# KiCad board BMS1_COPY_DONTDELETEORILLCRY.kicad_pcb
title: On Board PCB; date: 2023-11-08; rev: 1; company: AERO - SEED
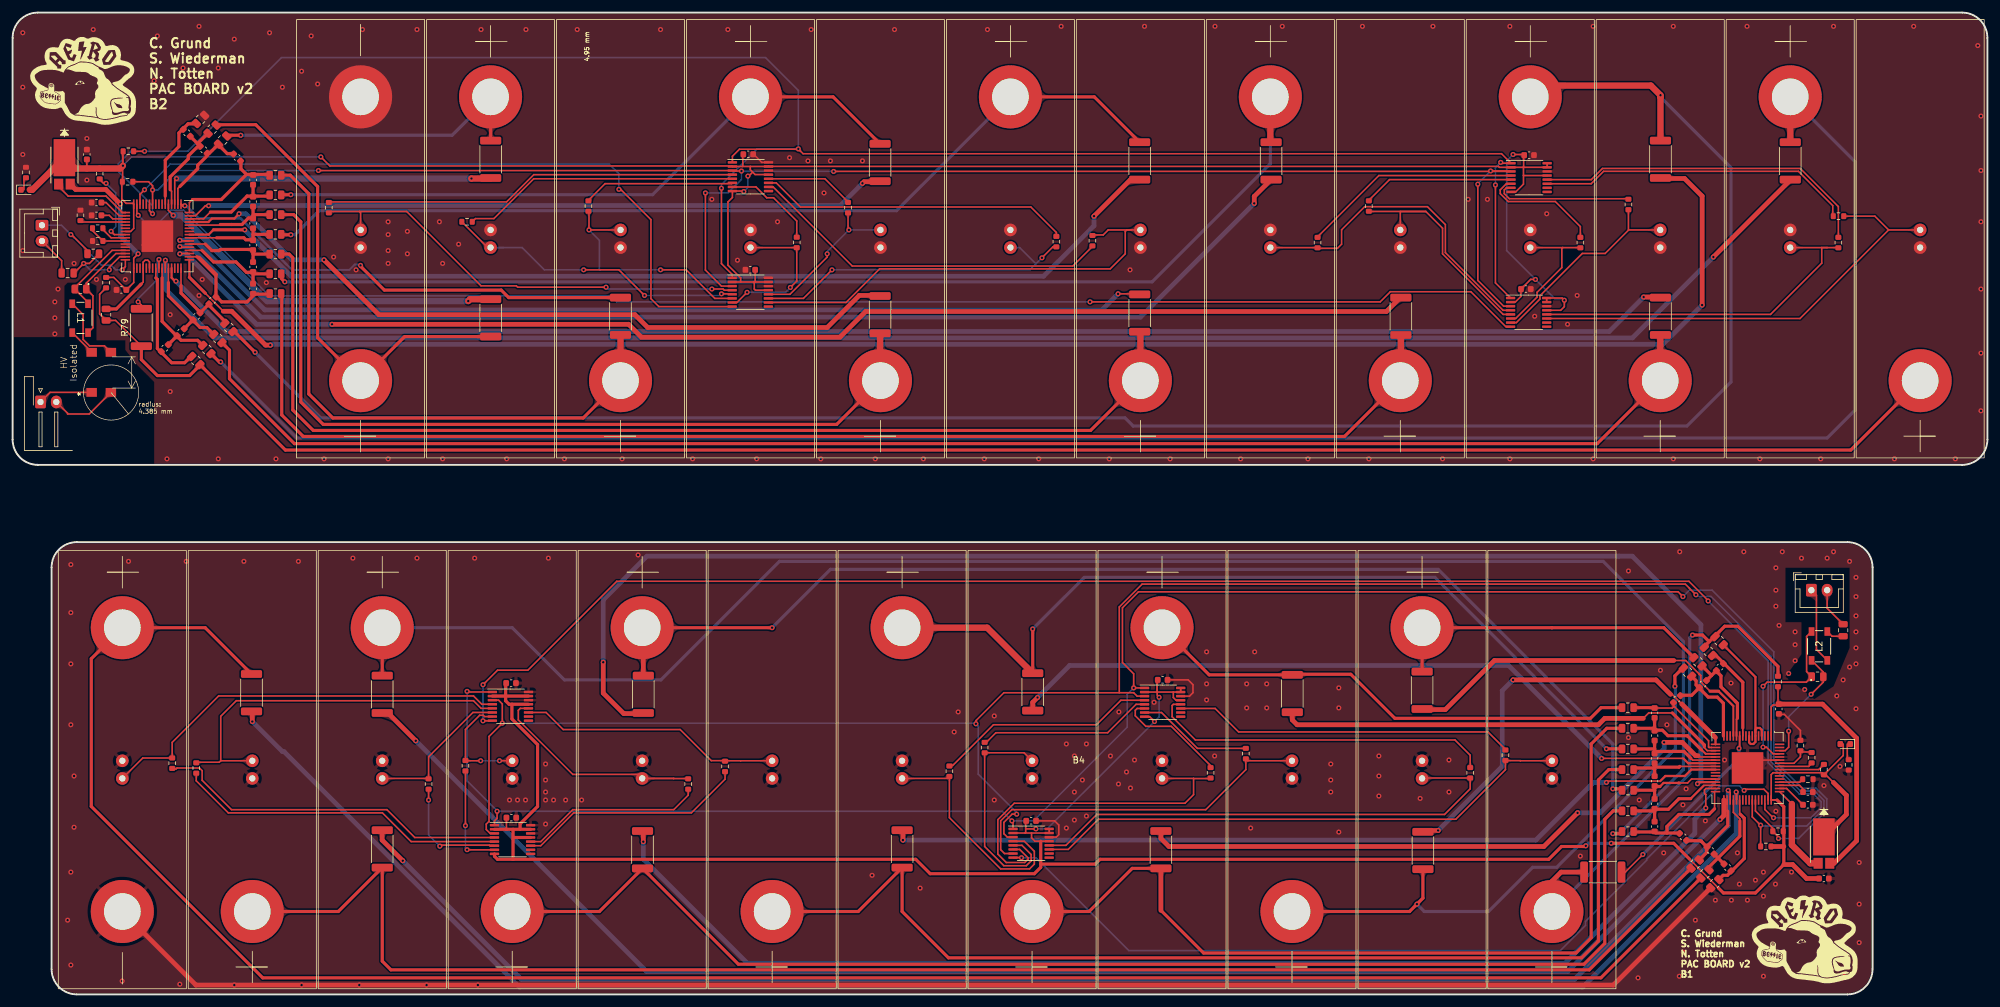
[diagram p0: board, top side]
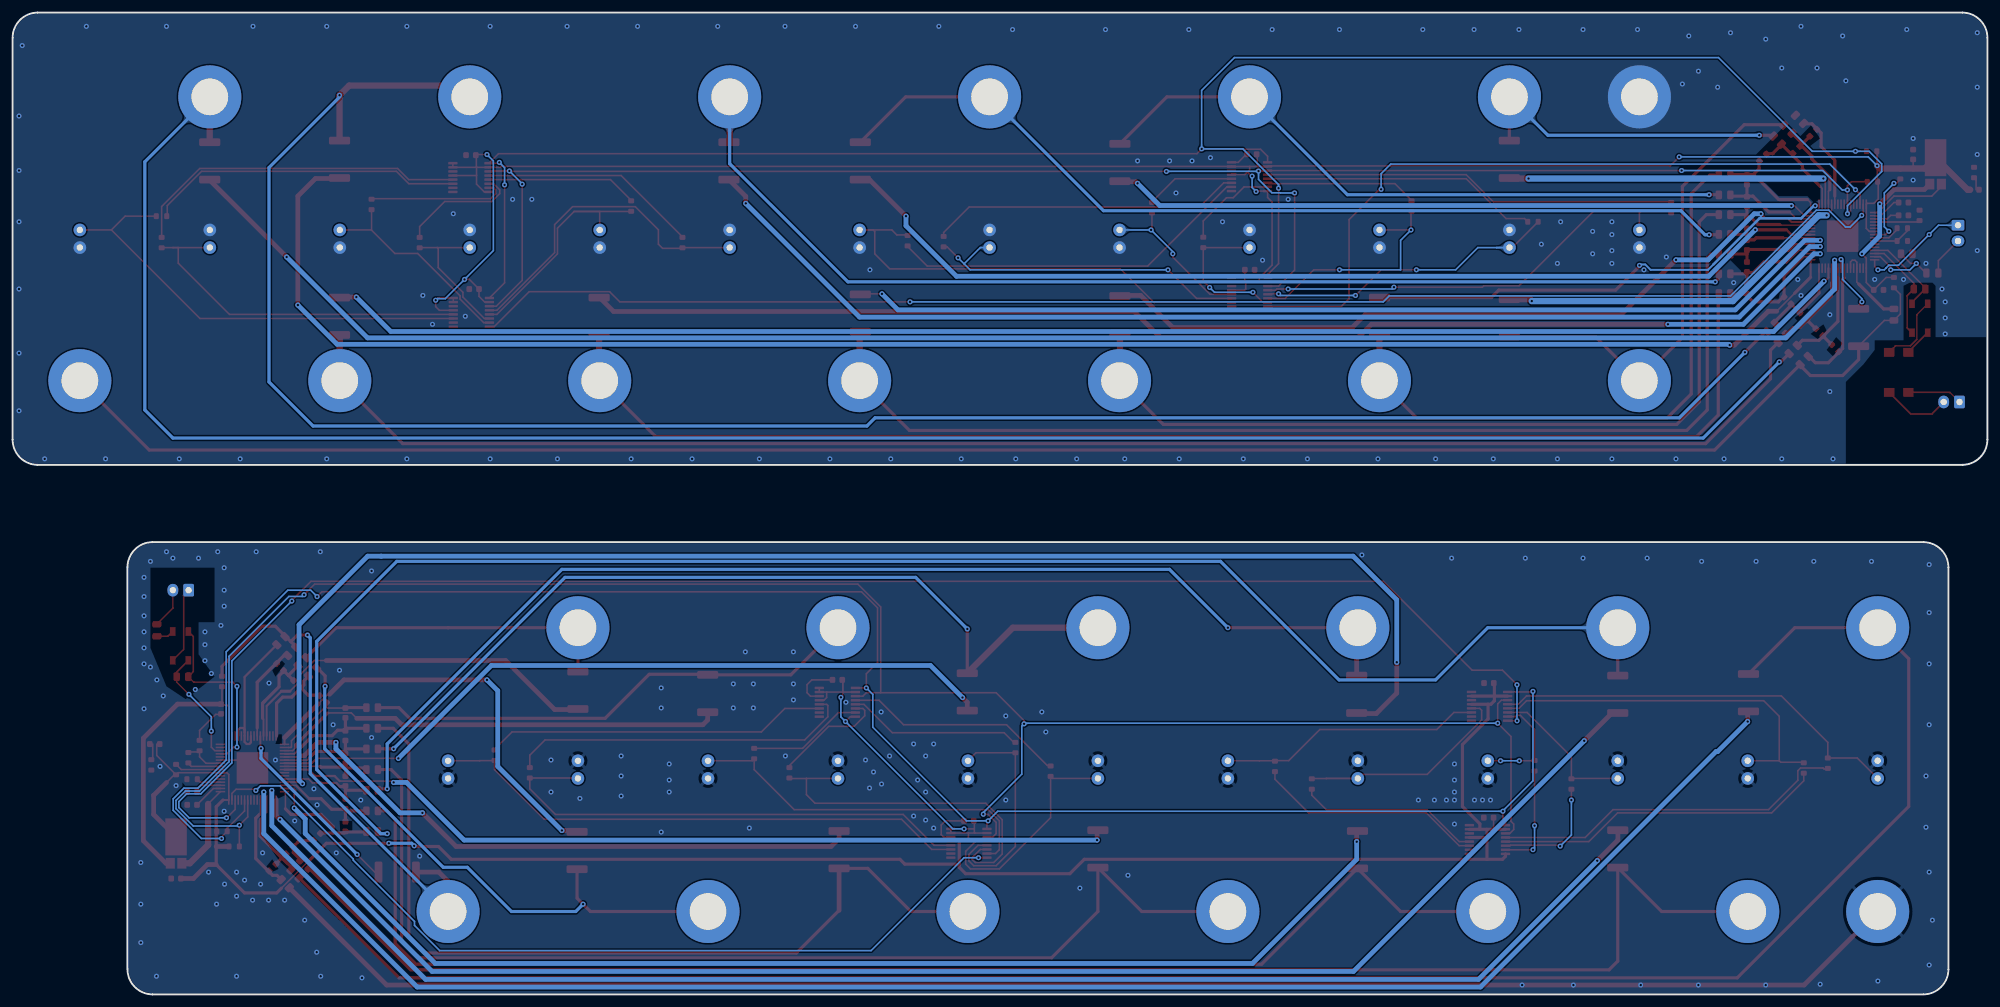
[diagram p1: board, bottom side, seen from below]

Outline 313.01 x 155.68 mm; copper layers: Top, Bottom. Coordinates in mm from the lower left corner of the outline.
Outline path: 0,151.68 arc(1.17,154.51) 4,155.68 309.01,155.68 arc(311.84,154.51) 313.01,151.68 313.01,87.97 arc(311.84,85.14) 309.01,83.97 4,83.97 arc(1.17,85.14) 0,87.97 0,151.68 ; 6.18,67.71 arc(7.35,70.54) 10.18,71.71 290.81,71.71 arc(293.64,70.54) 294.81,67.71 294.81,4 arc(293.64,1.17) 290.81,0 10.18,0 arc(7.35,1.17) 6.18,4 6.18,67.71
Stack: Top 0.035mm / dielectric 1.51mm FR4 er 4.5 / Bottom 0.035mm

## Placement (name value [footprint] x y rotation side)
B1  VTC6+T-single  [VTC-6-single]  243.99 35.64 180 top
B2  VTC6+T-single  [VTC-6-single]  223.41 35.64 0 top
B3  VTC6+T-single  [VTC-6-single]  202.79 35.64 180 top
B4  VTC6+T-single  [VTC-6-single]  182.19 35.64 0 top
B5  VTC6+T-single  [VTC-6-single]  161.59 35.64 180 top
B6  VTC6+T-single  [VTC-6-single]  140.99 35.64 0 top
B7  VTC6+T-single  [VTC-6-single]  120.39 35.64 180 top
B8  VTC6+T-single  [VTC-6-single]  99.79 35.64 0 top
B9  VTC6+T-single  [VTC-6-single]  79.19 35.64 180 top
B10  VTC6+T-single  [VTC-6-single]  58.59 35.64 0 top
B11  VTC6+T-single  [VTC-6-single]  37.99 35.64 180 top
B12  VTC6+T  [VTC-6]  17.39 35.64 0 top
B13  VTC6+T-single  [VTC-6-single]  302.36 119.82 180 top
B14  VTC6+T-single  [VTC-6-single]  281.76 119.82 0 top
B15  VTC6+T-single  [VTC-6-single]  261.16 119.82 180 top
B16  VTC6+T-single  [VTC-6-single]  240.56 119.82 0 top
B17  VTC6+T-single  [VTC-6-single]  219.96 119.82 180 top
B18  VTC6+T-single  [VTC-6-single]  199.36 119.82 0 top
B19  VTC6+T-single  [VTC-6-single]  178.76 119.82 180 top
B20  VTC6+T-single  [VTC-6-single]  158.16 119.82 0 top
B21  VTC6+T-single  [VTC-6-single]  137.56 119.82 180 top
B22  VTC6+T-single  [VTC-6-single]  116.96 119.82 0 top
B23  VTC6+T-single  [VTC-6-single]  96.36 119.82 180 top
B24  VTC6+T-single  [VTC-6-single]  75.76 119.82 0 top
B25  VTC6+T  [VTC-6]  55.16 119.82 180 top
C1  0.1uF  [C_0603_1608Metric]  79.05 28.02 180 top
C2  0.1uF  [C_0603_1608Metric]  240.37 133.08 180 top
C3  0.1uF  [C_0603_1608Metric]  161.44 27.52 180 top
C4  0.1uF  [C_0603_1608Metric]  116.6 133.21 180 top
C5  0.1uF  [C_0603_1608Metric]  182.29 49.87 180 top
C6  0.1uF  [C_0603_1608Metric]  116.92 114.89 0 top
C7  0.1uF  [C_0603_1608Metric]  79.01 49.36 180 top
C8  0.1uF  [C_0603_1608Metric]  239.86 111.84 180 top
C9  10nF  [C_0805_2012Metric]  290.15 57.74 90 top
C10  10nF  [C_0805_2012Metric]  8.72 114.38 0 top
C11  1uF  [C_0603_1608Metric]  284.56 32.09 180 top
C12  1uF  [C_0603_1608Metric]  13.29 123.53 0 top
C13  0.1uF  [C_0603_1608Metric]  279.96 45.25 270 top
C14  0.1uF  [C_0603_1608Metric]  17.24 111.7 180 top
C15  0.1uF  [C_0603_1608Metric]  270.62 51.9 225 top
C16  0.1uF  [C_0603_1608Metric]  267.92 49.21 225 top
C17  0.1uF  [C_0603_1608Metric]  263.8 46.82 225 top
C18  0.1uF  [C_0603_1608Metric]  260.26 44.63 270 top
C19  0.1uF  [C_0603_1608Metric]  260.26 41.03 270 top
C20  0.1uF  [C_0603_1608Metric]  260.26 37.42 270 top
C21  0.1uF  [C_0603_1608Metric]  260.26 33.82 270 top
C22  0.1uF  [C_0603_1608Metric]  260.26 30.22 270 top
C23  0.1uF  [C_0603_1608Metric]  260.26 26.61 270 top
C24  0.1uF  [C_0603_1608Metric]  264.77 24.98 315 top
C25  0.1uF  [C_0603_1608Metric]  269.13 22.81 315 top
C26  0.1uF  [C_0603_1608Metric]  271.82 20.12 315 top
C27  0.1uF  [C_0603_1608Metric]  24.12 102.47 45 top
C28  0.1uF  [C_0603_1608Metric]  26.64 104.99 45 top
C29  0.1uF  [C_0603_1608Metric]  29.16 107.52 45 top
C30  0.1uF  [C_0603_1608Metric]  31.69 110.04 45 top
C31  0.1uF  [C_0603_1608Metric]  38.11 111.89 90 top
C32  0.1uF  [C_0603_1608Metric]  38.11 115.35 270 top
C33  0.1uF  [C_0603_1608Metric]  38.11 118.8 90 top
C34  0.1uF  [C_0603_1608Metric]  38.11 122.25 90 top
C35  0.1uF  [C_0603_1608Metric]  38.11 125.71 90 top
C36  0.1uF  [C_0603_1608Metric]  38.11 129.16 90 top
C37  0.1uF  [C_0603_1608Metric]  35.57 132.71 135 top
C38  0.1uF  [C_0603_1608Metric]  30.29 133.93 135 top
C39  0.1uF  [C_0603_1608Metric]  27.6 136.62 135 top
C40  1uF  [C_0603_1608Metric]  13.29 125.56 0 top
C41  1uF  [C_0603_1608Metric]  284.56 30.06 180 top
C42  1uF  [C_0603_1608Metric]  11.77 133.18 270 top
C43  1uF  [C_0603_1608Metric]  287.1 18.37 180 top
D1  LED  [LED_0603_1608Metric]  2.12 127.59 0 top
D2  LED  [LED_0603_1608Metric]  290.48 39.7 180 top
G***  -  [LOGO]  11.26 143.85 0 top
G***#2  -  [LOGO]  284.15 7.71 0 top
J1  Conn_01x02_Horzontal  [JST_XH_S2B-XH-A-1_1x02_P2.50mm_Horizontal]  4.42 93.94 0 top
J2  Conn_01x02_Vertical  [JST_XH_B2B-XH-A_1x02_P2.50mm_Vertical]  4.66 121.96 270 top
J3  Conn_01x02_Vertical  [JST_XH_B2B-XH-A_1x02_P2.50mm_Vertical]  285.11 64.09 0 top
L1  Choke_ACT45B-101-2P-TL003  [ACT45B-101-2P-TL003_TDK_new]  10.75 107.27 270 top
L2  Choke_ACT45B-101-2P-TL003  [ACT45B-101-2P-TL003_TDK_new]  286.34 55.2 90 top
Q2  DXT5551P5-13_DIO  [DXT5551P5-13_DIO-M]  8.21 131.5 0 top
Q3  DXT5551P5-13_DIO  [DXT5551P5-13_DIO-M]  287.1 23.8 0 top
R1  1k  [R_0603_1608Metric]  283.38 39.46 270 top
R2  1k  [R_0603_1608Metric]  284.56 34.12 180 top
R3  20k  [R_0603_1608Metric]  277.9 23.45 180 top
R4  20k  [R_0603_1608Metric]  279.83 25.87 180 top
R5  1k  [R_0603_1608Metric]  285.16 37.53 270 top
R6  1k  [R_0603_1608Metric]  13.48 119.46 0 top
R7  1M  [R_0603_1608Metric]  287.1 35.64 90 top
R8  20k  [R_0603_1608Metric]  18.35 133.69 0 top
R9  20k  [R_0603_1608Metric]  18.22 128.86 0 top
R10  1k  [R_0603_1608Metric]  10.75 123.53 270 top
R11  1k  [R_0603_1608Metric]  13.48 121.5 0 top
R12  1M  [R_0603_1608Metric]  13.8 130.13 270 top
R13  100  [R_0805_2012Metric]  270.49 56.08 135 top
R14  10  [R_0805_2012Metric]  269.8 17.56 45 top
R15  10  [R_0805_2012Metric]  256.02 29.1 0 top
R16  10  [R_0805_2012Metric]  268.24 19.11 45 top
R17  10  [R_0805_2012Metric]  267.13 52.75 315 top
R18  10  [R_0805_2012Metric]  265.48 51.1 315 top
R19  10  [R_0805_2012Metric]  266.69 20.67 45 top
R20  10  [R_0805_2012Metric]  268.79 54.39 315 top
R21  10  [R_0805_2012Metric]  256.02 32.37 0 top
R22  10  [R_0805_2012Metric]  256.02 25.82 0 top
R23  10  [R_0805_2012Metric]  256.02 45.47 0 top
R24  10  [R_0805_2012Metric]  256.02 42.19 0 top
R25  10  [R_0805_2012Metric]  256.02 38.92 0 top
R26  10  [R_0805_2012Metric]  256.02 35.65 0 top
R27  18  [R_2512_6332Metric]  223.41 48.22 270 top
R28  18  [R_2512_6332Metric]  99.84 22.94 90 top
R29  18  [R_2512_6332Metric]  37.87 47.84 270 top
R30  18  [R_2512_6332Metric]  223.54 22.82 90 top
R31  18  [R_2512_6332Metric]  99.97 47.58 270 top
R32  18  [R_2512_6332Metric]  252.05 19.39 0 top
R33  18  [R_2512_6332Metric]  202.84 47.71 270 top
R34  18  [R_2512_6332Metric]  182.01 22.94 90 top
R35  18  [R_2512_6332Metric]  58.59 23.07 90 top
R36  18  [R_2512_6332Metric]  161.69 47.96 270 top
R37  18  [R_2512_6332Metric]  58.59 47.58 270 top
R38  18  [R_2512_6332Metric]  140.99 23.07 90 top
R39  100  [R_0603_1608Metric]  279.82 49.62 90 top
R40  680  [R_0603_1608Metric]  236.62 37.93 90 top
R41  680  [R_0603_1608Metric]  231.03 35.14 90 top
R42  680  [R_0603_1608Metric]  195.47 38.18 90 top
R43  680  [R_0603_1608Metric]  189.89 35.14 90 top
R44  680  [R_0603_1608Metric]  154.07 39.14 90 top
R45  680  [R_0603_1608Metric]  148.48 35.39 90 top
R46  680  [R_0603_1608Metric]  112.92 36.15 270 top
R47  680  [R_0603_1608Metric]  107.08 33.36 270 top
R48  680  [R_0603_1608Metric]  71.78 36.26 270 top
R49  680  [R_0603_1608Metric]  65.93 33.36 270 top
R50  680  [R_0603_1608Metric]  29.1 35.9 270 top
R51  680  [R_0603_1608Metric]  25.29 36.66 270 top
R52  10  [R_0805_2012Metric]  41.65 126.77 180 top
R53  10  [R_0805_2012Metric]  31.62 137.2 225 top
R54  100  [R_0805_2012Metric]  14.82 107.78 270 top
R55  10  [R_0805_2012Metric]  32.53 104 135 top
R56  10  [R_0805_2012Metric]  34.27 105.75 135 top
R57  10  [R_0805_2012Metric]  33.28 135.46 225 top
R58  10  [R_0805_2012Metric]  29.04 100.52 135 top
R59  10  [R_0805_2012Metric]  30.78 102.26 135 top
R60  10  [R_0805_2012Metric]  41.65 123.64 180 top
R61  10  [R_0805_2012Metric]  41.65 129.9 180 top
R62  10  [R_0805_2012Metric]  41.65 111.13 180 top
R63  10  [R_0805_2012Metric]  41.65 114.26 180 top
R64  10  [R_0805_2012Metric]  41.65 117.39 180 top
R65  10  [R_0805_2012Metric]  41.65 120.51 180 top
R66  10  [R_0805_2012Metric]  29.78 138.75 225 top
R67  18  [R_2512_6332Metric]  261.2 107.53 90 top
R68  18  [R_2512_6332Metric]  137.5 131.91 270 top
R69  18  [R_2512_6332Metric]  75.78 107.27 90 top
R70  18  [R_2512_6332Metric]  261.2 132.42 270 top
R71  18  [R_2512_6332Metric]  137.5 107.78 90 top
R72  18  [R_2512_6332Metric]  281.77 132.17 270 top
R73  18  [R_2512_6332Metric]  220.05 107.52 90 top
R74  18  [R_2512_6332Metric]  199.47 132.16 270 top
R75  18  [R_2512_6332Metric]  75.78 132.42 270 top
R76  18  [R_2512_6332Metric]  178.65 108.03 90 top
R77  18  [R_2512_6332Metric]  96.35 107.53 90 top
R78  18  [R_2512_6332Metric]  178.65 132.16 270 top
R79  18  [R_2512_6332Metric]  20.4 105.75 90 top
R80  100  [R_0603_1608Metric]  14.82 112.86 270 top
R81  680  [R_0603_1608Metric]  289.41 123.4 180 top
R82  680  [R_0603_1608Metric]  289.39 119.21 90 top
R83  680  [R_0603_1608Metric]  256.12 125.26 90 top
R84  680  [R_0603_1608Metric]  248.5 119.21 90 top
R85  680  [R_0603_1608Metric]  214.97 125 90 top
R86  680  [R_0603_1608Metric]  206.84 119.21 90 top
R87  680  [R_0603_1608Metric]  171.15 119.51 270 top
R88  680  [R_0603_1608Metric]  165.44 119.36 90 top
R89  680  [R_0603_1608Metric]  132.42 124.75 90 top
R90  680  [R_0603_1608Metric]  124.29 119.23 90 top
R91  680  [R_0603_1608Metric]  91.27 125 90 top
R92  680  [R_0603_1608Metric]  72.03 122.51 0 top
R93  680  [R_0603_1608Metric]  50.12 124.75 90 top
R94  330  [R_0603_1608Metric]  2.12 130.32 270 top
R95  330  [R_0603_1608Metric]  291.03 36.39 90 top
R96  100  [R_0805_2012Metric]  10.75 111.84 0 top
R97  100  [R_0805_2012Metric]  286.09 50.38 0 top
R98  100  [R_0805_2012Metric]  12.78 117.43 0 top
T1  ESMIT-4180_C  [SOIC4_CBM4D19_SUM]  13.8 99.78 90 top
U1  ADG728  [TSSOP-16_4.4x5mm_P0.65mm]  79.24 24.55 0 top
U2  ADG728  [TSSOP-16_4.4x5mm_P0.65mm]  182.29 46.31 0 top
U3  ADG728  [TSSOP-16_4.4x5mm_P0.65mm]  240.37 129.52 0 top
U4  ADG728  [TSSOP-16_4.4x5mm_P0.65mm]  116.95 129.66 0 top
U5  ADG728  [TSSOP-16_4.4x5mm_P0.65mm]  78.91 45.68 0 top
U6  ADG728  [TSSOP-16_4.4x5mm_P0.65mm]  161.44 23.96 0 top
U7  ADG728  [TSSOP-16_4.4x5mm_P0.65mm]  116.92 111.34 0 top
U8  ADG728  [TSSOP-16_4.4x5mm_P0.65mm]  240.3 108.15 0 top
U9  LTC6812-1  [QFP-64_11x11_Pitch0.5mm]  275 35.9 270 top
U10  LTC6812-1  [QFP-64_11x11_Pitch0.5mm]  22.94 120.23 90 top

## Library data of the parts
C1-C8 C13-C39 = -: Datasheet: https://mm.digikey.com/Volume0/opasdata/d220001/medias/docus/1296/CL10B104KC8NNNC_Spec.pdf; Description: Unpolarized capacitor; MPN: CL10B104KC8NNNC; Digikey Part Number: 1276-6807-1-ND; ki_fp_filters: C_*
C9 C10 = -: Datasheet: https://content.kemet.com/datasheets/KEM_C1002_X7R_SMD.pdf; Description: Unpolarized capacitor; MPN: C0805C103K5RACTU; Digikey Part Number: 399-C0805C103K5RACTUCT-ND; ki_fp_filters: C_*
C11 C12 C40-C43 = -: Datasheet: https://mm.digikey.com/Volume0/opasdata/d220001/medias/docus/3584/CL10B105KP8NNNC_Spec.pdf; Description: Unpolarized capacitor; MPN: CL10B105KP8NNNC; Digikey Part Number: 1276-1946-1-ND; ki_fp_filters: C_*
D1 D2 = -: Datasheet: https://fscdn.rohm.com/en/products/databook/datasheet/opto/led/chip_mono/sml-d13m8wt86-e.pdf; Description: Light emitting diode; MPN: 846-1198-1-ND; Digikey Part Number: 846-1198-1-ND; ki_fp_filters: LED* LED_SMD:* LED_THT:*
J1 = -: Datasheet: https://www.jst-mfg.com/product/pdf/eng/eXH.pdf; Description: Generic connector, single row, 01x02, script generated (kicad-library-utils/schlib/autogen/connector/); MPN: S2B-XH-A-1; Digikey Part Number: 455-S2B-XH-A-1-ND; ki_fp_filters: Connector*:*_1x??_*
J2 J3 = -: Datasheet: https://www.jst-mfg.com/product/pdf/eng/eXH.pdf; Description: Generic connector, single row, 01x02, script generated (kicad-library-utils/schlib/autogen/connector/); MPN: B2B-XH-A; Digikey Part Number: 455-B2B-XH-A-ND; ki_fp_filters: Connector*:*_1x??_*
L1 L2 = -: Datasheet: https://product.tdk.com/en/system/files/dam/doc/product/emc/emc/cmf_cmc/catalog/cmf_automotive_signal_act45b_en.pdf; Description: CMC 100UH 150MA 2LN 5.8KOHM SMD; MPN: ACT45B-101-2P-TL003; Digikey Part Number: 445-3959-1-ND; ki_fp_filters: L*CommonMode*Wurth*WE*CNSW*1206*
Q2 Q3 = -: Datasheet: https://www.diodes.com/assets/Datasheets/DXT5551P5.pdf; Description: NPN transistor, base/collector/emitter; MPN: DXT5551P5-13; Digikey Part Number: DXT5551P5-13CT-ND
R1 R2 R5 R6 R10 R11 = -: Datasheet: https://www.yageo.com/upload/media/product/products/datasheet/rchip/PYu-RC_Group_51_RoHS_L_12.pdf; Description: Resistor, US symbol; MPN: RC0603FR-071KL; Digikey Part Number: 311-1.00KHRCT-ND; ki_fp_filters: R_*
R3 R4 R8 R9 = -: Datasheet: https://industrial.panasonic.com/cdbs/www-data/pdf/RDA0000/AOA0000C304.pdf; Description: Resistor, US symbol; MPN: ERJ-3EKF2002V; Digikey Part Number: P20.0KHCT-ND; ki_fp_filters: R_*
R7 R12 = -: Datasheet: https://industrial.panasonic.com/cdbs/www-data/pdf/RDA0000/AOA0000C304.pdf; Description: Resistor, US symbol; MPN: ERJ-3EKF1004V; Digikey Part Number: P1.00MHCT-ND; ki_fp_filters: R_*
R13 R54 R96 R97 = -: Datasheet: https://www.seielect.com/catalog/sei-rmcf_rmcp.pdf; Description: Resistor, US symbol; MPN: RMCF0805FT100R; Digikey Part Number: RMCF0805FT100RCT-ND; ki_fp_filters: R_*
R14-R26 R52 R53 R55-R66 = -: Datasheet: https://industrial.panasonic.com/cdbs/www-data/pdf/RDO0000/AOA0000C331.pdf; Description: Resistor, US symbol; MPN: ERJ-P06J100V; Digikey Part Number: P10ADCT-ND; ki_fp_filters: R_*
R27-R38 R67-R79 = -: Datasheet: https://www.seielect.com/catalog/sei-rmcf_rmcp.pdf; Description: Resistor, US symbol; MPN: RMCF2512FT18R0; Digikey Part Number: RMCF2512FT18R0CT-ND; ki_fp_filters: R_*
R39 R80 = -: Datasheet: https://www.yageo.com/upload/media/product/products/datasheet/rchip/PYu-RC_Group_51_RoHS_L_12.pdf; Description: Resistor, US symbol; MPN: RC0603FR-07100RL; Digikey Part Number: 311-100HRCT-ND; ki_fp_filters: R_*
R40-R51 R81-R93 = -: Datasheet: https://www.yageo.com/upload/media/product/products/datasheet/rchip/PYu-RC_Group_51_RoHS_L_12.pdf; Description: Resistor, US symbol; MPN: RC0603JR-07680RL; Digikey Part Number: 311-680GRCT-ND; ki_fp_filters: R_*
R94 R95 = -: Datasheet: https://industrial.panasonic.com/cdbs/www-data/pdf/RDM0000/AOA0000C307.pdf; Description: Resistor, US symbol; MPN: ERA-3AEB331V; Digikey Part Number: P330DBCT-ND; ki_fp_filters: R_*
R98 = -: Datasheet: https://www.seielect.com/catalog/sei-rmcf_rmcp.pdf; Description: Resistor, US symbol; Digikey Part Number: RMCF0805FT100RCT-ND; MPN: RMCF0805FT100R; ki_fp_filters: R_*
T1 = -: Datasheet: https://products.sumida.com/products/pdf/CBM5D33_Ver1.0_E.pdf; MPN: ESMIT-4180/C; Digikey Part Number: 308-2379-1-ND; ki_fp_filters: SOIC4_CBM4D19_SUM SOIC4_CBM4D19_SUM-M SOIC4_CBM4D19_SUM-L
U1-U8 = -: Datasheet: https://www.analog.com/media/en/technical-documentation/data-sheets/ADG728_729.pdf; Description: Single 8-to-1 CMOS Low Voltage 2-Wire Serially Controlled, Matrix Switches; MPN: ADG728BRUZ-REEL7; ki_fp_filters: TSSOP*4.4x5mm*P0.65mm*
U9 U10 = -: Datasheet: https://www.analog.com/media/en/technical-documentation/data-sheets/LTC6812-1.pdf; MPN: LTC6812ILWE-1#3ZZTRPBF

## Footprints (pads in the part's own frame, mm; a bottom-side part is the same pattern mirrored in y, then rotated)
ACT45B-101-2P-TL003_TDK_new
  rect 1.35x0.9 smd: 1(-2.235,1.2) 2(-2.235,-1.3) 3(2.337,-1.3) 4(2.337,1.2)
C_0603_1608Metric
  rrect 0.9x0.95 smd: 1(-0.775,0) 2(0.775,0)
C_0805_2012Metric
  rrect 1x1.45 smd: 1(-0.95,0) 2(0.95,0)
DXT5551P5-13_DIO-M
  rect 1.441x1.705 smd: 1(-0.92,-3.008) 2(0.92,-3.008)
  rect 3.411x5.876 smd: 3(0,1.177)
JST_XH_B2B-XH-A_1x02_P2.50mm_Vertical
  rrect 1.7x2 hole 1: 1(0,0)
  oval 1.7x2 hole 1: 2(2.5,0)
JST_XH_S2B-XH-A-1_1x02_P2.50mm_Horizontal
  rrect 1.7x2 hole 1: 1(0,0)
  oval 1.7x2 hole 1: 2(2.5,0)
LED_0603_1608Metric
  rrect 0.875x0.95 smd: 1(-0.787,0) 2(0.787,0)
QFP-64_11x11_Pitch0.5mm
  rect 1.5x0.25 smd: 1(-5.075,3.75) 2(-5.075,3.25) 3(-5.075,2.75) 4(-5.075,2.25) 5(-5.075,1.75) 6(-5.075,1.25) 7(-5.075,0.75) 8(-5.075,0.25) 9(-5.075,-0.25) 10(-5.075,-0.75) 11(-5.075,-1.25) 12(-5.075,-1.75) 13(-5.075,-2.25) 14(-5.075,-2.75) 15(-5.075,-3.25) 16(-5.075,-3.75) 33(5.075,-3.75) 34(5.075,-3.25) 35(5.075,-2.75) 36(5.075,-2.25) 37(5.075,-1.75) 38(5.075,-1.25) 39(5.075,-0.75) 40(5.075,-0.25) 41(5.075,0.25) 42(5.075,0.75) 43(5.075,1.25) 44(5.075,1.75) 45(5.075,2.25) 46(5.075,2.75) 47(5.075,3.25) 48(5.075,3.75)
  rect 0.25x1.5 smd: 17(-3.75,-5.075) 18(-3.25,-5.075) 19(-2.75,-5.075) 20(-2.25,-5.075) 21(-1.75,-5.075) 22(-1.25,-5.075) 23(-0.75,-5.075) 24(-0.25,-5.075) 25(0.25,-5.075) 26(0.75,-5.075) 27(1.25,-5.075) 28(1.75,-5.075) 29(2.25,-5.075) 30(2.75,-5.075) 31(3.25,-5.075) 32(3.75,-5.075) 49(3.75,5.075) 50(3.25,5.075) 51(2.75,5.075) 52(2.25,5.075) 53(1.75,5.075) 54(1.25,5.075) 55(0.75,5.075) 56(0.25,5.075) 57(-0.25,5.075) 58(-0.75,5.075) 59(-1.25,5.075) 60(-1.75,5.075) 61(-2.25,5.075) 62(-2.75,5.075) 63(-3.25,5.075) 64(-3.75,5.075)
  rect 5x5 smd: 65(0,0)
R_0603_1608Metric
  rrect 0.8x0.95 smd: 1(-0.825,0) 2(0.825,0)
R_0805_2012Metric
  rrect 1.025x1.4 smd: 1(-0.912,0) 2(0.912,0)
R_2512_6332Metric
  rrect 1.225x3.35 smd: 1(-2.962,0) 2(2.962,0)
SOIC4_CBM4D19_SUM
  rect 1.4x1.65 smd: 1(-4.318,1.27) 2(-4.318,-1.778) 3(2.032,-1.778) 4(2.032,1.27)
TSSOP-16_4.4x5mm_P0.65mm
  rrect 1.475x0.4 smd: 1(-2.862,2.275) 2(-2.862,1.625) 3(-2.862,0.975) 4(-2.862,0.325) 5(-2.862,-0.325) 6(-2.862,-0.975) 7(-2.862,-1.625) 8(-2.862,-2.275) 9(2.862,-2.275) 10(2.862,-1.625) 11(2.862,-0.975) 12(2.862,-0.325) 13(2.862,0.325) 14(2.862,0.975) 15(2.862,1.625) 16(2.862,2.275)
VTC-6
  round 10 hole 5.8: 1(0,22.5) 2(0,-22.5)
  round 2 hole 1: 3(0,-1.4) 4(0,1.4)
VTC-6-single
  round 10 hole 5.8: 1(0,22.5)
  round 2 hole 1: 2(0,1.4) 3(0,-1.4)

## Nets
GND1: B13.2 B14.2 B15.2 B16.2 B17.2 B18.2 B19.2 B20.2 B21.2 B22.2 B23.2 B24.2 B25.2 B25.4 C2.1 C4.1 C6.1 C8.1 C12.1 C14.2 C40.1 C42.1 R6.1 R10.1 R66.1 R94.1 U3.14 U4.14 U4.16 U7.14 U7.16 U8.14 U10.59 U10.60 U10.65
GND2: B1.2 B2.2 B3.2 B4.2 B5.2 B6.2 B7.2 B8.2 B9.2 B10.2 B11.2 B12.2 B12.4 C1.1 C3.1 C5.1 C7.1 C11.1 C13.2 C41.1 C43.1 R1.1 R2.1 R14.1 R95.1 U1.14 U1.16 U2.14 U5.14 U5.16 U6.14 U9.59 U9.60 U9.65
VCC: C14.1 Q2.2 R80.1 U10.1
VDD: C1.2 C3.2 C5.2 C7.2 C43.2 D2.2 Q3.3 R3.1 R4.1 R7.1 U1.2 U1.8 U1.13 U1.15 U2.2 U2.8 U2.13 U2.15 U2.16 U5.2 U5.13 U5.15 U6.2 U6.13 U6.15 U6.16 U9.48 U9.55
/BatteryBus1.C0: C26.2 R14.2 U9.38
/BatteryBus1.C1: C25.2 C26.1 R16.2 U9.36
/BatteryBus1.C3: C23.2 C24.1 R22.2 U9.32
/BatteryBus1.C4: C22.2 C23.1 R15.2 U9.30
/BatteryBus1.C5: C21.2 C22.1 R21.2 U9.28
/BatteryBus1.C6: C20.2 C21.1 R26.2 U9.24
/BatteryBus1.C7: C19.2 C20.1 R25.2 U9.22
/BatteryBus1.C8: C18.2 C19.1 R24.2 U9.20
/BatteryBus1.C9: C17.2 C18.1 R23.2 U9.18
/BatteryBus1.C10: C16.2 C17.1 R18.2 U9.16
/BatteryBus1.C11: C15.2 C16.1 R17.2 U9.12
/BatteryBus1.C12: C15.1 R20.2 U9.10
/BatteryBus1.C13: R13.1 U9.4 U9.6 U9.8
/BatteryBus1.S1: R29.2 U9.37
/BatteryBus1.S2: R35.2 U9.35
/BatteryBus1.S3: C24.2 C25.1 R19.2 R37.2 U9.33 U9.34
/BatteryBus1.S4: R28.2 U9.31
/BatteryBus1.S5: R31.2 U9.29
/BatteryBus1.S6: R38.2 U9.25
/BatteryBus1.S7: R36.2 U9.23
/BatteryBus1.S8: R34.2 U9.21
/BatteryBus1.S9: R33.2 U9.19
/BatteryBus1.S10: R30.2 U9.17
/BatteryBus1.S11: R27.2 U9.13
/BatteryBus1.S12: R32.2 U9.11
/BatteryBus1.S13: U9.9
/BatteryBus1.S14: U9.7
/BatteryBus1.S15: U9.5
/BatteryBus.C0: C39.2 R66.2 U10.38
/BatteryBus.C1: C38.2 C39.1 R53.2 U10.36
/BatteryBus.C2: C37.2 C38.1 R57.2 U10.34
/BatteryBus.C3: C36.2 C37.1 R61.2 U10.32
/BatteryBus.C4: C35.2 C36.1 R52.2 U10.30
/BatteryBus.C5: C34.2 C35.1 R60.2 U10.28
/BatteryBus.C6: C33.2 C34.1 R65.2 U10.24
/BatteryBus.C7: C32.1 C33.1 R64.2 U10.22
/BatteryBus.C8: C31.2 C32.2 R63.2 U10.20
/BatteryBus.C9: C30.2 C31.1 R62.2 U10.18
/BatteryBus.C10: C29.2 C30.1 R56.2 U10.16
/BatteryBus.C11: C28.2 C29.1 R55.2 U10.12
/BatteryBus.C12: C27.2 C28.1 R59.2 U10.10
/BatteryBus.C13: C27.1 R58.2 U10.8
/BatteryBus.C14: R54.1 U10.4 U10.6
/BatteryBus.S1: R69.2 U10.37
/BatteryBus.S2: R75.2 U10.35
/BatteryBus.S3: R71.2 R77.2 U10.29 U10.33
/BatteryBus.S4: R68.2 U10.31
/BatteryBus.S6: R78.2 U10.25
/BatteryBus.S7: R76.2 U10.23
/BatteryBus.S8: R74.2 U10.21
/BatteryBus.S9: R73.2 U10.19
/BatteryBus.S10: R70.2 U10.17
/BatteryBus.S11: R67.2 U10.13
/BatteryBus.S12: R72.2 U10.11
/BatteryBus.S13: R79.2 U10.9
/BatteryBus.S14: U10.7
/BatteryBus.S15: U10.5
/D11: U7.8 U10.46
/D12: U8.8 U10.47
/D22: U6.8 U9.47
/IMA: J1.2 T1.2
/IPA: J1.1 T1.1
/SCL1: R8.2 U3.1 U4.1 U7.1 U8.1 U10.43
/SCL2: R4.2 U1.1 U2.1 U5.1 U6.1 U9.43
/SDA1: R9.2 U3.3 U4.3 U7.3 U8.3 U10.42
/SDA2: R3.2 U1.3 U2.3 U5.3 U6.3 U9.42
C+101: R93.2 U4.4
C+102: R92.2 U4.5
C+103: R91.2 U4.6
C+104: R90.2 U4.7
C+105: R89.2 U4.12
C+106: R88.2 U4.11
C+107: R87.2 U4.10
C+108: R86.2 U3.4
C+109: R85.2 U3.5
C+110: R84.2 U3.6
C+111: R83.2 U3.7
C+112: R82.2 U3.12
C+113: R81.2 U3.11
C+201: R51.2 U1.4
C+202: R50.2 U1.5
C+203: R49.2 U1.6